# KiCad board SplitKeeb.kicad_pcb (continued)
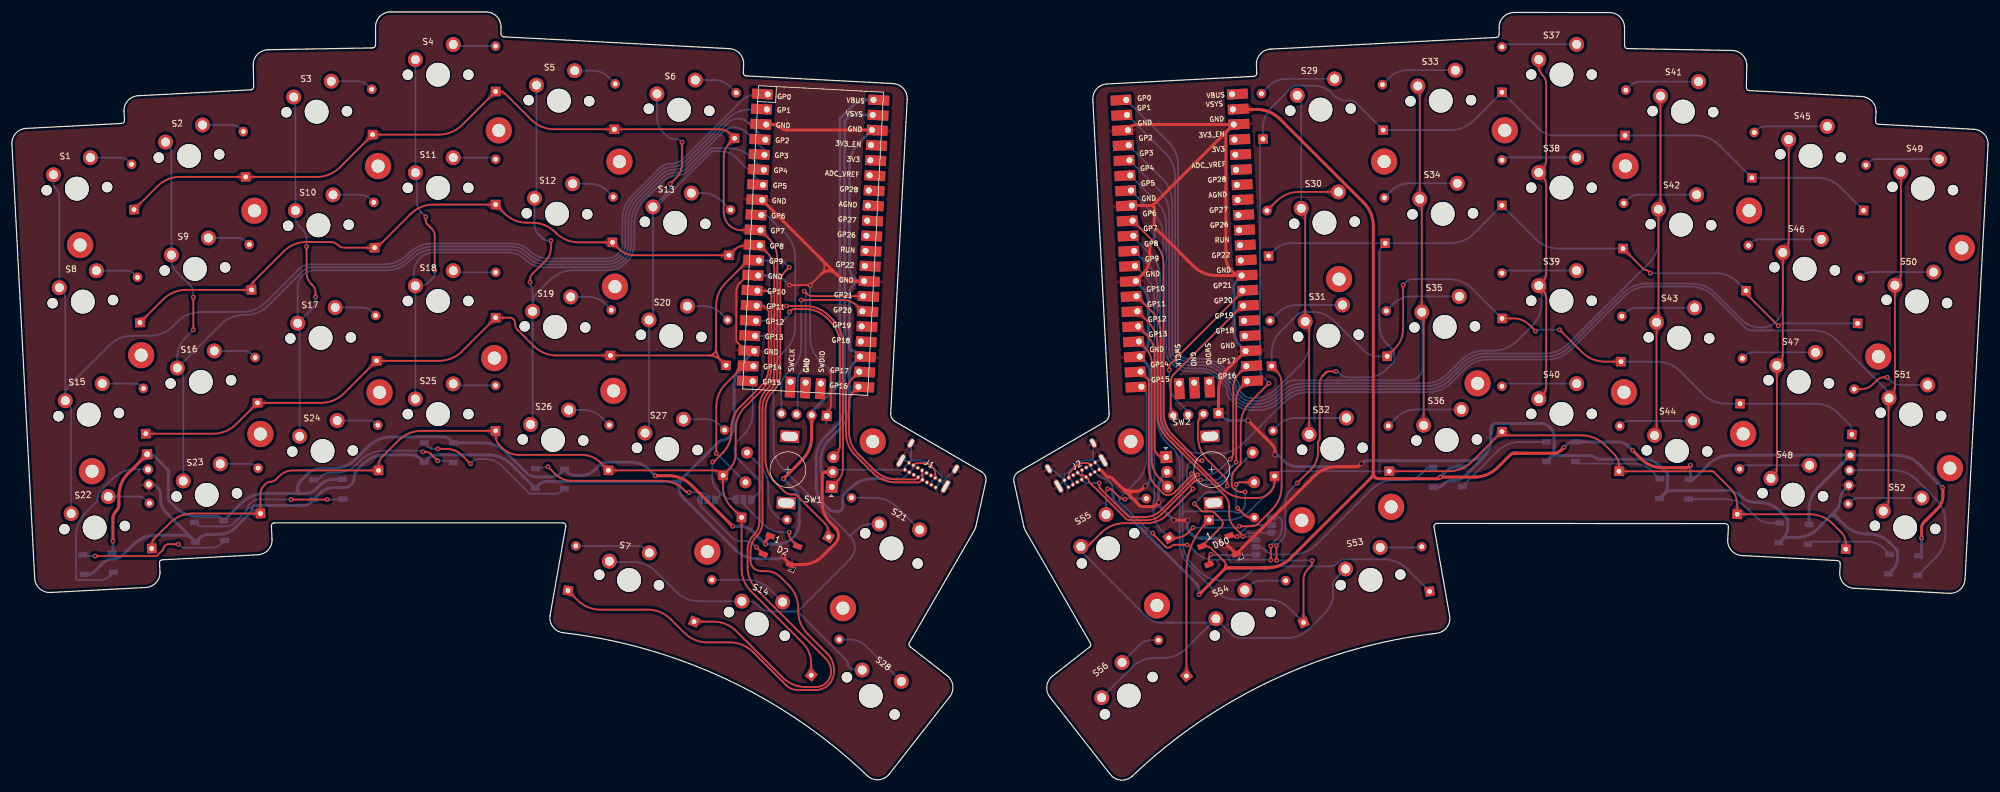
[diagram p0: board, top side]
## Routing (per net, layer and track width the routed paths; a pad name or vN(x,y) marks a point on that pad's centre or on a via; arc(x,y) is an arc through that point) (continued)
R Rotary A: length 24.2
  Top w0.3: SW2.A 193.18,54.26 arc(192.69,54.36) 192.27,54.64 192.2,54.71 arc(191.88,55.2) 191.76,55.78 191.76,71.47 arc(191.4,73.29) 190.37,74.82 U2.16
R Rotary B: length 26.1
  Top w0.3: SW2.B 192.62,50.63 arc(191.61,52.13) 191.26,53.9 191.26,70.02 arc(190.98,71.42) 190.19,72.6 U2.17
R SCL: length 26.4
  Top w0.3: U2.27 206.48,82.1 arc(206.46,81.99) 206.4,81.9 194.48,69.99 arc(194.27,69.67) 194.19,69.3 v1(194.19,68.9)
  Bottom w0.3: v1(194.19,68.9) 194.19,66.97 arc(194.55,65.19) 195.56,63.68 197.33,61.91
R SDA: length 23
  Top w0.3: U2.26 206.54,79.68 arc(206.48,79.66) 206.42,79.63 195.03,68.23 arc(194.6,67.59) 194.44,66.82 194.44,62.37 arc(194.49,62.15) 194.62,61.95 194.79,61.78
RCol1: length 137.3
  Top w0.3: S30.1 216.68,95.7 arc(216.93,95.33) 217.01,94.9 217.01,77.51 arc(217.1,77.08) 217.34,76.71 arc(217.59,76.35) 217.68,75.91 S32.1
  Bottom w0.3: S29.1 216.02,114.69 arc(216.26,114.32) 216.35,113.89 S30.1 ; S31.1 217.35,76.7 arc(217.61,76.33) 217.69,75.88 217.69,73.48 arc(217.28,71.4) 216.1,69.63 212.34,65.88 arc(210.43,64.6) 208.17,64.15 208.08,64.15 arc(207.26,64.31) 206.57,64.77 206.41,64.93 arc(206.07,65.45) 205.94,66.06 arc(205.82,66.68) 205.47,67.2 203.53,69.14 arc(201.77,70.32) 199.69,70.73 197.39,70.73 arc(196.74,70.86) 196.19,71.23 arc(195.82,71.78) 195.69,72.43 195.69,103.3 arc(195.28,105.39) 194.1,107.15 U2.1
RCol2: length 157.2
  Top w0.3: S36.1 236.9,78.03 arc(236.86,78.25) 236.74,78.43 arc(236.62,78.61) 236.57,78.83 236.57,97.03 arc(236.53,97.24) 236.41,97.43 arc(236.28,97.61) 236.24,97.83 236.24,116.02 arc(236.2,116.24) 236.08,116.42 S33.1
  Bottom w0.3: S35.1 236.63,78.53 arc(236.68,78.47) 236.69,78.39 236.69,69.28 arc(236.53,68.47) 236.07,67.77 arc(235.38,67.31) 234.56,67.15 215.15,67.15 arc(214.38,67) 213.74,66.57 212.39,65.22 arc(210.65,64.06) 208.6,63.65 208,63.65 arc(207.02,63.84) 206.19,64.4 205.93,64.66 arc(205.57,65.2) 205.44,65.83 arc(205.32,66.47) 204.96,67.01 203.33,68.64 arc(201.56,69.82) 199.48,70.23 197.39,70.23 arc(196.55,70.4) 195.84,70.88 arc(195.36,71.59) 195.19,72.43 195.19,101.4 arc(194.78,103.48) 193.6,105.25 U2.2
RCol3: length 172.3
  Top w0.3: S40.1 256.84,64.67 arc(257.3,65.36) 257.46,66.18 257.46,80.91 arc(257.3,81.73) 256.84,82.42 arc(256.58,83.05) 256.84,83.67 arc(257.3,84.36) 257.46,85.18 257.46,99.91 arc(257.3,100.73) 256.84,101.42 arc(256.58,102.05) 256.84,102.67 arc(257.3,103.36) 257.46,104.18 257.46,116.91 arc(257.3,117.72) 256.84,118.41 arc(256.38,119.11) 256.21,119.92 S37.1
  Bottom w0.3: U2.4 193.1,100.94 arc(194.28,99.17) 194.69,97.09 194.69,72.43 arc(194.9,71.4) 195.48,70.52 arc(196.36,69.94) 197.39,69.73 199.46,69.73 arc(201.37,69.35) 202.98,68.27 204.44,66.81 arc(204.81,66.26) 204.94,65.61 arc(205.07,64.95) 205.44,64.4 205.82,64.02 arc(206.79,63.38) 207.93,63.15 208.76,63.15 arc(210.86,63.57) 212.63,64.75 212.94,65.06 arc(214.7,66.23) 216.78,66.65 237.07,66.65 arc(239.15,67.06) 240.92,68.24 243.23,70.56 arc(244.99,71.73) 247.08,72.15 248.69,72.15 arc(250.77,72.56) 252.54,73.74 255.1,76.31 arc(256.28,78.07) 256.69,80.15 256.69,82.23 arc(256.63,82.54) 256.45,82.81 S39.1
RCol4: length 195.2
  Top w0.3: S41.1 276.63,96.46 arc(276.59,96.25) 276.47,96.06 arc(276.34,95.88) 276.3,95.66 276.3,77.47 arc(276.26,77.25) 276.14,77.06 arc(276.01,76.88) 275.97,76.66 275.97,58.47 arc(275.93,58.25) 275.8,58.07 S44.1
  Bottom w0.3: S42.1 276.3,90.68 arc(275.89,88.59) 274.71,86.83 261.12,73.24 arc(259.36,72.06) 257.28,71.65 247.28,71.65 arc(245.2,71.23) 243.44,70.06 241.12,67.74 arc(239.36,66.56) 237.28,66.15 216.99,66.15 arc(214.91,65.73) 213.14,64.56 212.83,64.24 arc(211.06,63.06) 208.98,62.65 207.93,62.65 arc(206.6,62.91) 205.46,63.67 204.94,64.19 arc(204.57,64.75) 204.44,65.4 arc(204.31,66.05) 203.94,66.61 202.92,67.63 arc(201.24,68.75) 199.25,69.15 197.53,69.15 arc(196.26,69.4) 195.17,70.13 194.96,70.34 arc(194.39,71.19) 194.19,72.19 194.19,95.19 arc(193.78,97.27) 192.6,99.04 U2.5
RCol5: length 219
  Top w0.3: S45.1 298.15,90.32 arc(298.02,89.67) 297.66,89.12 arc(297.29,88.57) 297.16,87.92 297.16,71.34 arc(297.03,70.69) 296.66,70.14 arc(296.29,69.59) 296.16,68.94 296.16,52.37 arc(296.03,51.72) 295.67,51.17 S48.1
  Bottom w0.3: S46.1 297.16,79.59 arc(296.89,78.23) 296.12,77.07 arc(294.96,76.3) 293.6,76.03 293.3,76.03 arc(291.66,76.35) 290.27,77.28 285.74,81.81 arc(283.98,82.98) 281.9,83.4 274.24,83.4 arc(272.16,82.98) 270.39,81.81 261.33,72.74 arc(259.56,71.56) 257.48,71.15 247.49,71.15 arc(245.41,70.73) 243.64,69.56 241.33,67.24 arc(239.56,66.06) 237.48,65.65 217.2,65.65 arc(215.12,65.23) 213.35,64.06 213.04,63.74 arc(211.27,62.56) 209.19,62.15 207.93,62.15 arc(206.4,62.45) 205.11,63.32 204.44,63.98 arc(204.07,64.54) 203.94,65.19 arc(203.81,65.85) 203.44,66.4 202.57,67.27 arc(201.05,68.29) 199.25,68.65 197.53,68.65 arc(196.06,68.94) 194.82,69.77 194.3,70.29 arc(193.85,70.96) 193.69,71.76 193.69,93.28 arc(193.28,95.37) 192.1,97.13 U2.6
RCol6: length 240.9
  Top w0.3: S49.1 316.97,84.83 arc(316.84,84.18) 316.47,83.62 arc(316.11,83.07) 315.98,82.42 315.98,65.99 arc(315.84,65.29) 315.44,64.7 arc(315.04,64.1) 314.9,63.4 314.9,46.88 arc(314.77,46.23) 314.41,45.68 313.91,45.18
  Bottom w0.3: 314.9,64.16 314.9,64.67 arc(314.81,65.15) 314.54,65.55 306.16,73.93 arc(304.39,75.11) 302.31,75.53 292.03,75.53 arc(291.37,75.66) 290.81,76.04 285.54,81.31 arc(283.77,82.48) 281.69,82.9 274.45,82.9 arc(272.37,82.48) 270.6,81.31 261.54,72.24 arc(259.77,71.06) 257.69,70.65 247.7,70.65 arc(245.62,70.23) 243.85,69.06 241.54,66.74 arc(239.77,65.56) 237.69,65.15 217.45,65.15 arc(215.37,64.73) 213.6,63.56 206.54,56.49 arc(204.77,55.31) 202.69,54.9 199.38,54.9 arc(197.3,55.31) 195.53,56.49 194.79,57.24 arc(193.61,59) 193.19,61.08 193.19,91.31 arc(192.78,93.39) 191.6,95.16 187.81,98.94 arc(187.8,98.97) 187.79,99 U2.7
RCol7: length 157.2
  Top w0.3: v1(199.69,53.65) 199.39,53.65 arc(199.1,53.71) 198.86,53.87 194.86,57.87 arc(193.68,59.64) 193.26,61.72 193.26,86.51 arc(192.85,88.59) 191.67,90.35 U2.9 ; S55.1 179.93,39.23 arc(180.45,39.33) 180.89,39.63 182.82,41.56 arc(184.58,42.73) 186.66,43.15 190.43,43.15 arc(192.29,43.52) 193.87,44.57 v1(198.19,48.9)
  Bottom w0.3: v1(199.69,53.65) 198.47,53.65 arc(197.98,53.55) 197.57,53.27 arc(197.29,52.86) 197.19,52.37 197.19,50.61 arc(197.32,49.95) 197.69,49.4 v1(198.19,48.9) ; S55.1 179.37,38.86 arc(179.44,38.52) 179.63,38.23 190.38,27.48 arc(191.53,26.72) 192.88,26.45 193.96,26.45 ; S56.1 187.94,18.94 arc(189.71,20.12) 191.79,20.53 193.21,20.53 arc(195.29,20.94) 197.05,22.12 S54.1 204.67,24.47 arc(205.35,24.02) 206.15,23.86 213.9,23.86 arc(215.98,24.27) 217.74,25.45 220.3,28 arc(221.34,29.56) 221.7,31.4 221.7,32.9 arc(221.79,33.35) 222.05,33.74 S53.1 ; 194.34,26.45 193.96,26.45 ; 194.34,26.45 194.72,26.45 ; 194.34,26.45 194.72,26.45 ; 194.34,26.45 193.96,26.45 ; 194.72,26.45 202.06,26.45
RRGB: length 51.8
  Top w0.3: v1(206.54,40.93) 206.54,40.99 arc(206.53,41.05) 206.5,41.11 205.17,42.44 arc(204.5,43.43) 204.27,44.61 204.27,45.89 arc(204.05,46.96) 203.44,47.87 193.86,57.46 arc(192.68,59.23) 192.26,61.31 192.26,73.08 arc(191.85,75.17) 190.67,76.93 U2.15
  Bottom w0.3: JP4.3 207.57,41.53 arc(207.18,41.45) 206.84,41.23 v1(206.54,40.93) 207.89,40.93 arc(208.22,40.86) 208.49,40.68 JP3.1
RRotarySwitch: length 41.5
  Top w0.3: U2.19 190.59,67.4 arc(190.72,67.2) 190.76,66.98 190.76,52.45 arc(191.11,50.72) 192.09,49.25 193.18,48.15 arc(193.44,47.98) 193.74,47.92 194.06,47.92 arc(194.66,48.04) 195.17,48.38 197.83,51.03 arc(197.91,51.16) 197.94,51.31 v1(197.94,51.48)
  Bottom w0.3: v1(197.94,51.48) 198.08,51.34 arc(198.19,51.18) 198.22,51 198.22,50.88 arc(198.28,50.58) 198.45,50.33 198.97,49.81 arc(199.15,49.69) 199.36,49.65 200.98,49.65 arc(202.68,49.99) 204.12,50.95 SW2.S2
RRow1: length 299
  Top w0.3: v1(210.94,66.65) 207.79,63.49 arc(206.61,61.73) 206.19,59.65 206.19,53.28 arc(206.16,53.1) 206.06,52.95 205.44,52.34 arc(204.89,51.51) 204.69,50.53 204.69,49.47 arc(204.72,49.35) 204.78,49.25 205.17,48.86 arc(205.68,48.52) 206.29,48.4 v1(206.94,48.4)
  Bottom w0.3: 196.44,44.73 196.44,40.11 arc(196.86,38.03) 198.04,36.26 199.18,35.12 arc(200.95,33.94) 203.03,33.52 204.64,33.52 arc(206.19,33.83) 207.51,34.71 arc(208.82,35.59) 210.37,35.9 221.12,35.9 arc(221.89,36.05) 222.54,36.49 222.85,36.8 arc(223.15,37) 223.51,37.07 230.28,37.07 arc(232.36,36.66) 234.12,35.48 D54.1 ; 196.44,44.73 196.44,45.07 ; 196.44,44.73 arc(196.47,44.89) 196.56,45.02 ; v1(206.94,48.4) 206.94,46.5 arc(206.82,45.89) 206.47,45.37 206.08,44.97 arc(206,44.92) 205.9,44.9 205.55,44.9 arc(205.4,44.93) 205.27,45.02 arc(205.13,45.1) 204.98,45.13 196.85,45.13 arc(196.69,45.1) 196.56,45.02 ; U2.10 188.19,91.29 arc(188.21,91.16) 188.29,91.06 191.1,88.24 arc(192.28,86.48) 192.69,84.4 192.69,60.88 arc(193.11,58.79) 194.29,57.03 195.58,55.73 arc(196.22,54.78) 196.44,53.65 196.44,45.07 ; 196.44,45.07 arc(196.49,45) 196.56,45.02 ; v1(210.94,66.65) 210.2,67.39 arc(209.65,68.22) 209.45,69.19 209.45,106.86 arc(209.51,107.18) 209.69,107.45 arc(209.87,107.72) 209.94,108.03 209.94,109.61 arc(210.29,111.39) 211.29,112.89 214.73,116.33 arc(215.09,116.57) 215.5,116.65 218.43,116.65 arc(220.06,116.32) 221.44,115.4 221.83,115.02 arc(222.79,114.37) 223.92,114.15 224.58,114.15 arc(225.1,114.05) 225.54,113.75 D34.1 241.44,109.19 arc(243.52,109.6) 245.29,110.78 D38.1 255.16,110.41 arc(255.17,110.4) 255.18,110.4 arc(255.19,110.4) 255.2,110.39 256.25,109.34 arc(257.43,108.55) 258.81,108.28 D42.1 282.6,108.28 arc(284.68,107.86) 286.45,106.69 D46.1 302.98,101.17 arc(305.06,100.75) 306.83,99.58 D50.1
RRow2: length 274.5
  Top w0.3: D55.1 216.74,33.66 arc(216.92,34.61) 217.46,35.42 217.93,35.88 arc(218.12,36.18) 218.19,36.52 v1(218.19,36.9) ; D43.1 273.82,85.81 arc(274,85.69) 274.21,85.65 arc(274.43,85.61) 274.61,85.49 v1(274.94,85.15) ; v1(222.19,68.65) 220.87,68.65 arc(220.71,68.62) 220.57,68.52 219.94,67.9 arc(219.57,67.35) 219.44,66.69 219.44,57.34 arc(219.41,57.16) 219.31,57.01 arc(219.21,56.86) 219.17,56.69 219.17,55.13 arc(218.85,53.51) 217.94,52.14 v1(215.69,49.9) ; D47.1 290.99,81.96 arc(291.03,81.74) 291.16,81.56 v1(296.41,76.3) ; v1(212.19,39.4) v1(212.19,36.9)
  Bottom w0.3: D47.1 289.51,83.68 arc(287.88,84.77) 285.96,85.15 v1(274.94,85.15) ; 230.2,89.95 229.96,89.71 arc(229.61,89.18) 229.48,88.56 229.48,76.3 arc(229.8,74.69) 230.71,73.33 231.86,72.17 arc(231.92,72.09) 231.94,71.98 231.94,70.4 arc(231.92,70.27) 231.85,70.16 230.64,68.96 arc(229.19,67.99) 227.48,67.65 224.15,67.65 arc(223.5,67.78) 222.94,68.15 222.53,68.56 arc(222.43,68.63) 222.32,68.65 v1(222.19,68.65) ; 230.2,89.95 arc(230.46,90.13) 230.77,90.19 ; 230.2,89.95 arc(230.23,90.1) 230.1,90.19 ; U2.11 190.6,86.61 arc(191.78,84.85) 192.19,82.77 192.19,60.53 arc(192.61,58.45) 193.79,56.68 194.92,55.55 arc(195.68,54.41) 195.94,53.07 195.94,39.9 arc(196.36,37.82) 197.54,36.06 201.67,31.92 arc(203.44,30.74) 205.52,30.32 210.64,30.32 arc(212.72,29.91) 214.48,28.73 D55.1 ; D51.1 297.12,76.72 arc(296.85,76.66) 296.62,76.51 v1(296.41,76.3) ; D31.1 211.95,89.11 arc(213.14,89.91) 214.55,90.19 230.1,90.19 ; v1(215.69,49.9) 214.69,48.9 arc(213.95,47.79) 213.69,46.48 213.69,41.96 arc(213.5,40.98) 212.94,40.15 v1(212.19,39.4) ; v1(218.19,36.9) v1(212.19,36.9) ; 230.77,90.19 230.1,90.19 ; 230.77,90.19 241.44,90.19 arc(243.52,90.6) 245.29,91.78 D39.1 255.69,90.87 arc(257.46,89.69) 259.54,89.28 D43.1
RRow3: length 218.9
  Top w0.3: v1(259.69,75.65) 263.46,71.88 arc(265.23,70.7) 267.31,70.29 D44.1 ; D56.1 195.32,40.69 arc(196.4,40.9) 197.31,41.51 v1(198.19,42.4) ; v1(255.69,75.4) 254.62,76.47 arc(253.44,77.26) 252.04,77.54 D40.1 ; v1(205.94,42.65) 208.18,42.65 arc(208.64,42.74) 209.03,43 211.46,45.44 arc(212.64,47.2) 213.06,49.28 213.06,66.67 arc(212.84,67.77) 212.22,68.7 D32.1 ; v1(233.44,83.15) 233.44,75.75 arc(233.1,74) 232.1,72.52 D36.1
  Bottom w0.3: v1(255.69,75.4) 255.82,75.52 arc(255.96,75.62) 256.12,75.65 v1(259.69,75.65) ; D32.1 211.38,71.68 arc(211.77,73.67) 212.89,75.35 215.7,78.15 arc(216.24,78.52) 216.88,78.64 218.27,78.64 arc(220.2,78.26) 221.83,77.17 226.78,72.22 arc(227.93,71.45) 229.29,71.18 D36.1 ; D40.1 245.02,82.56 arc(243.25,83.73) 241.17,84.15 235.15,84.15 arc(234.5,84.02) 233.94,83.65 v1(233.44,83.15) ; D44.1 276.05,70.29 arc(278.13,69.87) 279.9,68.7 283.77,64.82 arc(285.54,63.64) 287.62,63.22 D48.1 302.61,63.22 arc(304.7,62.81) 306.46,61.63 308.29,59.81 arc(308.63,59.3) 308.75,58.7 D52.1 ; v1(198.19,42.4) 205.52,42.4 arc(205.68,42.43) 205.82,42.52 v1(205.94,42.65) ; U2.12 190.1,84.71 arc(191.28,82.95) 191.69,80.86 191.69,47.22 arc(191.68,47.14) 191.63,47.07 arc(191.58,47) 191.57,46.92 191.57,45.1 arc(191.9,43.41) 192.86,41.98 D56.1
RRow4: length 201.6
  Top w0.3: D57.1 197.09,35.08 arc(197.98,39.53) 200.5,43.31 D64.1 ; 188.51,81.28 188.62,81.28 arc(188.71,81.26) 188.8,81.21 191.17,78.84 arc(192.35,77.07) 192.76,74.99 192.76,61.51 arc(193.18,59.43) 194.36,57.67 203.03,48.99 arc(204.8,47.81) 206.88,47.4 209,47.4 arc(210.1,47.62) 211.04,48.24 211.18,48.38 arc(211.7,49.16) 211.88,50.07 D33.1 ; D53.1 307.74,39.82 arc(307.55,40.78) 307,41.59 305.54,43.06 arc(303.77,44.23) 301.69,44.65 D49.1 289.51,46.24 arc(289.21,47.72) 288.38,48.96 285.62,51.72 arc(285.42,51.85) 285.19,51.9 284.96,51.9 arc(284.95,51.9) 284.93,51.88 arc(284.91,51.87) 284.89,51.87 D45.1 269.67,52.9 arc(269.48,53.85) 268.94,54.66 267.29,56.31 arc(265.52,57.48) 263.44,57.9 251.11,57.9 arc(250.7,57.98) 250.35,58.21 arc(250.04,58.34) 249.72,58.21 244.98,53.47 arc(243.21,52.29) 241.13,51.88 D37.1
  Bottom w0.3: D37.1 213.27,51.88 arc(212.74,51.77) 212.29,51.47 arc(211.98,51.02) 211.88,50.48 211.88,50.2 arc(211.72,49.4) 211.27,48.72 207.84,45.29 arc(206.07,44.11) 203.99,43.7 D64.1
RX0: length 29.9
  Top w0.3: J1.B6 152.74,51.21 arc(152.75,51.17) 152.77,51.14 arc(152.79,51.11) 152.8,51.07 152.8,50.73 arc(152.74,50.45) 152.59,50.22 arc(152.35,50.06) 152.07,50.01 148.32,50.01 arc(146.24,50.42) 144.47,51.6 141.54,54.54 arc(140.36,56.3) 139.94,58.38 139.94,64.77 arc(140.24,66.24) 141.07,67.48 U1.22
RX1: length 49.7
  Top w0.3: v1(204.44,53.9) 204.69,54.15 arc(204.88,54.43) 204.94,54.75 204.94,65.78 arc(205.23,67.21) 206.04,68.43 U2.22 ; v1(182.44,49.9) 182.44,49.52 arc(182.51,49.18) 182.71,48.88 186.91,44.68 arc(187.5,44.29) 188.19,44.15 189.93,44.15 arc(191.54,44.47) 192.91,45.38 198.6,51.07 198.75,51.22 arc(198.81,51.27) 198.89,51.28 v1(198.97,51.28)
  Bottom w0.3: J2.B7 179.56,51.26 arc(179.55,51.22) 179.53,51.19 arc(179.51,51.15) 179.5,51.11 179.5,50.68 arc(179.54,50.49) 179.65,50.33 179.79,50.19 arc(180.11,49.97) 180.49,49.9 v1(182.44,49.9) ; v1(204.44,53.9) 202.83,52.29 arc(201.72,51.54) 200.4,51.28 v1(198.97,51.28)
TX0: length 25.6
  Top w0.3: J1.A7 151.89,50.68 arc(151.69,50.55) 151.47,50.51 148.53,50.51 arc(146.45,50.92) 144.68,52.1 142.04,54.74 arc(140.86,56.51) 140.44,58.59 140.44,63.31 arc(140.65,64.37) 141.25,65.26 U1.21
  Bottom w0.3: J1.B7 153.3,51.42 arc(153.11,51.3) 152.88,51.25 152.74,51.25 arc(152.48,51.2) 152.26,51.05 J1.A7
TX1: length 48
  Top w0.3: J2.B6 179.08,51.4 arc(179.32,51.23) 179.61,51.18 179.72,51.18 arc(179.9,51.14) 180.05,51.04 180.17,50.92 arc(180.19,50.91) 180.21,50.9 arc(180.24,50.9) 180.25,50.89 180.59,50.55 arc(180.67,50.43) 180.69,50.3 arc(180.72,50.16) 180.8,50.04 186.89,43.95 arc(187.23,43.73) 187.62,43.65 190.32,43.65 arc(191.76,43.94) 192.98,44.75 198.35,50.11 arc(198.66,50.32) 199.04,50.4 v1(199.44,50.4) ; U2.21 206.36,66.08 arc(205.68,65.06) 205.44,63.87 v1(205.44,53.4)
  Bottom w0.3: v1(205.44,53.4) 202.82,50.77 arc(202.4,50.5) 201.91,50.4 v1(199.44,50.4)
VSYS: length 98.1
  Top w0.3: J1.B4 151.44,53.05 arc(151.63,53.18) 151.86,53.22 153.07,53.22 arc(153.79,53.08) 154.4,52.68 154.46,52.61 arc(154.82,52.07) 154.95,51.44 J1.B9
  Bottom w0.3: 147.23,50.63 149.23,50.63 arc(149.49,50.68) 149.72,50.83 J1.A9 151.09,52.21 arc(151.22,52.4) 151.27,52.63 J1.B4 ; J1.A4 154.27,49.83 arc(154.32,50.06) 154.45,50.25 J1.B9
  Bottom w0.5: U1.39 141.32,111.72 arc(140.72,111.6) 140.21,111.26 139.8,110.86 arc(139.76,110.79) 139.74,110.71 139.74,63.18 arc(139.33,61.1) 138.15,59.34 136.54,57.72 arc(135.36,55.96) 134.94,53.88 134.94,49.4 arc(135.27,47.76) 136.19,46.38 136.91,45.66 arc(137.5,45.27) 138.19,45.13 138.59,45.13 arc(138.92,45.19) 139.19,45.38 arc(139.38,45.66) 139.44,45.98 139.44,47.38 arc(139.51,47.74) 139.72,48.04 140.87,49.2 arc(142.46,50.26) 144.33,50.63 147.23,50.63
Net-(D1-A): length 7.3
  Bottom w0.3: D1.2 19.53,103.99 arc(18.92,104.4) 18.19,104.54 S1.2
Net-(D2-DIN): length 13.1
  Top w0.3: D2.4 130.78,40.35 arc(130.53,40.72) 130.44,41.16 v1(130.44,41.63)
  Bottom w0.3: JP1.2 122.74,46.75 arc(122.81,46.41) 123.01,46.11 126.45,42.67 arc(127.61,41.9) 128.97,41.63 v1(130.44,41.63)
Net-(D2-DOUT): length 14.7
  Top w0.3: D2.2 124.95,39.1 arc(124.95,39.11) 124.94,39.12 v1(124.94,39.13)
  Bottom w0.3: v1(124.94,39.13) 124.44,39.63 arc(123.89,40) 123.24,40.13 122.34,40.13 arc(121.51,40.29) 120.81,40.76 115.74,45.83 arc(115.52,46.16) 115.44,46.55 115.44,46.97
Net-(D3-A): length 7.2
  Bottom w0.3: S2.2 36.93,110.04 arc(37.65,109.89) 38.27,109.48 D3.2
Net-(D4-A): length 7.3
  Bottom w0.3: S3.2 58.08,117.39 arc(58.97,117.21) 59.71,116.71 D4.2
Net-(D5-A): length 7.2
  Bottom w0.3: D5.2 74.51,123.29 arc(74.34,123.32) 74.19,123.42 S4.2
Net-(D6-A): length 7.6
  Bottom w0.3: S5.2 97.44,119.16 arc(98.89,118.87) 100.12,118.05 D6.2
Net-(D7-A): length 7.6
  Bottom w0.3: S6.2 117.87,117.58 arc(119.27,117.3) 120.46,116.51 D7.2
Net-(D8-A): length 12.7
  Bottom w0.3: D8.2 104.95,39.34 arc(105.72,39.19) 106.37,38.75 S7.2
Net-(D9-A): length 7.3
  Bottom w0.3: D9.2 20.53,85.02 arc(19.91,85.43) 19.19,85.57 S8.2
Net-(D10-A): length 7.2
  Bottom w0.3: S9.2 37.92,91.06 arc(38.65,90.92) 39.26,90.51 D10.2
Net-(D11-A): length 7.3
  Bottom w0.3: D11.2 60.09,97.67 arc(59.38,98.14) 58.55,98.31 S10.2
Net-(D12-A): length 7.2
  Bottom w0.3: D12.2 81.04,104.42 arc(80.89,104.52) 80.71,104.56 S11.2
Net-(D13-A): length 7.6
  Bottom w0.3: S12.2 97.11,100.16 arc(98.56,99.87) 99.79,99.05 D13.2
Net-(D14-A): length 7.6
  Bottom w0.3: S13.2 115.89,98.59 arc(117.63,98.24) 119.11,97.26 D14.2
Net-(D15-A): length 13.2
  Bottom w0.3: D15.2 123.36,33.63 arc(125.44,33.22) 127.2,32.04 S14.2
Net-(D16-A): length 7.2
  Bottom w0.3: S15.2 20.7,66.6 arc(21.22,66.49) 21.66,66.2 D16.2
Net-(D17-A): length 7.2
  Bottom w0.3: D17.2 40.26,71.53 arc(39.64,71.94) 38.92,72.09 S16.2
Net-(D18-A): length 7.3
  Bottom w0.3: S17.2 58.75,79.39 arc(59.63,79.22) 60.38,78.72 D18.2
Net-(D19-A): length 7.2
  Bottom w0.3: D19.2 74.51,85.29 arc(74.34,85.32) 74.19,85.42 S18.2
Net-(D20-A): length 7.6
  Bottom w0.3: D20.2 99.46,80.05 arc(98.23,80.88) 96.78,81.16 S19.2
Net-(D21-A): length 7.5
  Bottom w0.3: S20.2 116.14,79.6 arc(117.65,79.3) 118.94,78.44 D21.2
Net-(D22-A): length 13.4
  Bottom w0.3: D22.2 144.69,47.43 arc(146.77,47.01) 148.54,45.83 S21.2
Net-(D23-A): length 7.3
  Bottom w0.3: D23.2 22.52,47.07 arc(21.9,47.48) 21.18,47.62 S22.2
Net-(D24-A): length 6.6
  Bottom w0.3: D24.2 40.94,52.75 arc(40.54,53.02) 40.07,53.11 S23.2
Net-(D25-A): length 7.1
  Bottom w0.3: D25.2 61.01,60.01 arc(60.59,60.3) 60.08,60.4 S24.2
Net-(D26-A): length 7.2
  Bottom w0.3: D26.2 74.51,66.29 arc(74.34,66.32) 74.19,66.42 S25.2
Net-(D27-A): length 7.7
  Bottom w0.3: D27.2 98.97,60.9 arc(97.57,61.84) 95.91,62.17 S26.2
Net-(D28-A): length 7.5
  Bottom w0.3: D28.2 118.69,59.71 arc(117.69,60.38) 116.5,60.61 S27.2
Net-(D29-A): length 13.2
  Bottom w0.3: D29.2 140.51,23.63 arc(142.08,23.32) 143.41,22.43 S28.2
Net-(D30-A): length 13.1
  Bottom w0.3: S29.2 213.9,117.78 arc(212.28,117.46) 210.91,116.54 D30.2
Net-(D31-A): length 13.1
  Top w0.3: S30.2 215.97,98.79 arc(213.92,98.38) 212.18,97.22 D31.2
Net-(D32-A): length 13.1
  Bottom w0.3: S31.2 215.63,79.8 arc(213.9,79.46) 212.43,78.48 D32.2
Net-(D33-A): length 13.1
  Bottom w0.3: S32.2 215.26,60.82 arc(213.87,60.54) 212.68,59.75 D33.2
Net-(D34-A): length 13.1
  Bottom w0.3: S33.2 234.12,119.24 arc(232.53,118.92) 231.19,118.02 D34.2
Net-(D35-A): length 13.1
  Bottom w0.3: S34.2 234.46,100.24 arc(232.87,99.93) 231.52,99.03 D35.2
Net-(D36-A): length 13.1
  Bottom w0.3: S35.2 234.81,81.25 arc(233.21,80.93) 231.86,80.02 D36.2
Net-(D37-A): length 13.2
  Bottom w0.3: S36.2 235.66,62.25 arc(233.87,61.89) 232.34,60.87 D37.2
Net-(D38-A): length 12.7
  Bottom w0.3: S37.2 250.78,123.59 arc(250.5,123.53) 250.25,123.37 D38.2
Net-(D39-A): length 12.7
  Bottom w0.3: S38.2 251.05,104.59 arc(251.01,104.59) 250.98,104.62 arc(250.94,104.63) 250.91,104.62 250.59,104.29 arc(250.43,104.19) 250.24,104.15 D39.2
Net-(D40-A): length 12.7
  Bottom w0.3: S39.2 250.76,85.59 arc(250.48,85.53) 250.25,85.37 D40.2
Net-(D41-A): length 12.7
  Bottom w0.3: S40.2 250.78,66.59 arc(250.5,66.53) 250.25,66.37 D41.2
Net-(D42-A): length 12.7
  Bottom w0.3: D42.2 271.53,116.61 arc(272.32,117.14) 273.25,117.32 S41.2
Net-(D43-A): length 12.7
  Bottom w0.3: D43.2 271.2,97.61 arc(271.99,98.14) 272.92,98.32 S42.2
Net-(D44-A): length 12.7
  Bottom w0.3: S43.2 272.57,79.33 arc(271.64,79.14) 270.86,78.62 D44.2
Net-(D45-A): length 12.5
  Bottom w0.3: D45.2 270.22,59.91 arc(270.69,60.22) 271.24,60.33 S44.2
Net-(D46-A): length 12.6
  Bottom w0.3: S45.2 294.1,109.8 arc(293.44,109.67) 292.87,109.29 D46.2
Net-(D47-A): length 12.6
  Bottom w0.3: S46.2 293.11,90.82 arc(292.45,90.69) 291.89,90.32 D47.2
Net-(D48-A): length 12.6
  Bottom w0.3: D48.2 290.9,71.34 arc(291.47,71.72) 292.13,71.85 S47.2
Net-(D49-A): length 11.9
  Bottom w0.3: S48.2 290.96,52.88 arc(290.55,52.8) 290.21,52.57 D49.2
Net-(D50-A): length 12.7
  Bottom w0.3: D50.2 311.62,103.8 arc(312.18,104.18) 312.83,104.31 S49.2
Net-(D51-A): length 12.7
  Bottom w0.3: D51.2 310.63,84.83 arc(311.18,85.2) 311.84,85.33 S50.2
Net-(D52-A): length 13.3
  Top w0.3: D52.2 310.3,65.66 arc(311.37,65.87) 312.27,66.47 313,67.21 arc(313.49,67.53) 314.07,67.65 v1(314.69,67.65)
  Bottom w0.3: 321.38,66.36 316.89,66.36 arc(316.05,66.53) 315.34,67.01 v1(314.69,67.65)
Net-(D53-A): length 12.6
  Bottom w0.3: D53.2 308.63,46.89 arc(309.18,47.26) 309.83,47.39 320.38,47.39
Net-(D54-A): length 7
  Bottom w0.3: D54.2 236.52,39.14 arc(236.45,39.09) 236.37,39.08 S53.2
Net-(D55-A): length 7.4
  Bottom w0.3: S54.2 207.67,32.71 arc(208.54,33.29) 209.56,33.49 D55.2
Net-(D56-A): length 11.5
  Top w0.3: v1(186.77,47.2) 186.46,47.2 arc(186.17,47.26) 185.92,47.42 184.6,48.74 arc(184.39,48.86) 184.14,48.9 v1(183.84,48.9)
  Bottom w0.3: D56.2 187.11,47.29 arc(186.95,47.27) 186.79,47.21 186.78,47.2 arc(186.78,47.2) 186.78,47.2 v1(186.77,47.2) ; v1(183.84,48.9) 183.72,48.78 arc(183.63,48.65) 183.6,48.49 S55.2
Net-(D57-A): length 7.5
  Bottom w0.3: D57.2 191.22,23.5 arc(190.13,23.28) 189.2,22.67 S56.2
Net-(D58-DIN): length 31.2
  Top w0.3: v1(113.64,48.33) 113.41,48.33 arc(113.2,48.37) 113.02,48.49 112.35,49.16 arc(110.79,49.99) 109.04,50.28 93.96,50.28 arc(92.42,50.58) 91.12,51.45 v1(89.94,52.63)
  Bottom w0.3: 116.74,46.95 116.74,47.33 arc(116.67,47.67) 116.48,47.97 116.43,48.02 arc(116.08,48.25) 115.67,48.33 v1(113.64,48.33) ; v1(89.94,52.63) D58.4
Net-(D58-DOUT): length 27.5
  Top w0.3: v1(76.94,53.13) 75.5,54.57 arc(74.33,55.35) 72.94,55.63 v1(71.44,55.63)
  Bottom w0.3: D59.4 69.77,56.07 arc(70.25,55.74) 70.83,55.63 v1(71.44,55.63) ; D58.2 92.28,48.52 arc(91.83,48.21) 91.29,48.11 87.11,48.11 arc(86.9,48.15) 86.72,48.27 82.23,52.76 arc(80.93,53.62) 79.4,53.93 78.31,53.93 arc(77.79,53.83) 77.34,53.53 v1(76.94,53.13)
Net-(D59-DOUT): length 25.7
  Top w0.3: v1(68.94,55.13) 69.44,55.13 arc(69.91,55.04) 70.3,54.78 v1(71.44,53.63)
  Bottom w0.3: v1(68.94,55.13) 68.84,55.23 arc(68.73,55.3) 68.6,55.33 62.4,55.33 arc(60.32,54.91) 58.55,53.74 57.82,53.01 arc(56.3,51.99) 54.49,51.63 53.39,51.63 arc(52.61,51.47) 51.95,51.03 51.61,50.7 arc(51.32,50.5) 50.97,50.43 D65.4 ; v1(71.44,53.63) 73.61,53.63 arc(73.79,53.59) 73.95,53.49 D59.2
Net-(D60-DIN): length 7.8
  Top w0.3: v1(205.59,40.89) 204.53,40.89 arc(204.43,40.92) 204.34,40.97 D60.4
  Bottom w0.3: JP4.2 208.77,42.83 arc(207.55,42.59) 206.52,41.9 205.62,41 arc(205.6,40.97) 205.59,40.93 v1(205.59,40.89)
Net-(D60-DOUT): length 9.4
  Top w0.3: D60.2 200.87,37.35 arc(200.92,37.56) 201.03,37.74 v1(201.19,37.9)
  Bottom w0.3: v1(201.19,37.9) 201.23,37.86 arc(201.27,37.84) 201.31,37.83 JP3.3
Net-(D61-DIN): length 35.8
  Bottom w0.3: 215.34,37.91 211.87,37.91 arc(211.07,38.07) 210.4,38.52 210.16,38.76 arc(209.75,39.03) 209.27,39.13 JP3.2 ; D61.4 238,52.51 arc(237.58,52.42) 237.23,52.19 236.5,51.45 arc(235.33,50.67) 233.95,50.4 231.95,50.4 arc(229.87,49.98) 228.1,48.81 218.79,39.49 arc(217.02,38.31) 214.94,37.9
Net-(D61-DOUT): length 17
  Bottom w0.3: D62.4 253.1,56.8 arc(251.02,56.38) 249.25,55.21 243.43,49.38 arc(243.41,49.36) 243.4,49.33 D61.2
Net-(D62-DOUT): length 15.1
  Bottom w0.3: D62.2 262.57,53.32 arc(262.76,53.19) 262.99,53.15 272.16,53.15 arc(273.83,52.82) 275.24,51.87 D68.4
Net-(D63-A): length 14.3
  Bottom w0.3: SW1.S1 125.35,53.01 arc(126.53,51.24) 126.94,49.16 126.94,47.11 arc(127.2,45.81) 127.93,44.72 128.52,44.13 arc(128.96,43.83) 129.49,43.73 D63.2
Net-(D64-A): length 10.6
  Top w0.3: D64.2 207.87,44.1 arc(207.29,44.21) 206.8,44.54 v1(205.69,45.65) ; v1(205.44,49.65) 205.63,49.84 arc(205.84,49.98) 206.09,50.03 SW2.S1
  Bottom w0.3: v1(205.44,49.65) 205.44,46.08 arc(205.48,45.91) 205.57,45.77 v1(205.69,45.65)
Net-(D65-DOUT): length 27.2
  Top w0.3: v1(46.84,47.12) 52.92,47.12 arc(52.93,47.12) 52.94,47.12 v1(52.94,47.13)
  Bottom w0.3: D66.4 30.98,42.94 arc(31.36,42.69) 31.81,42.6 35.81,42.6 arc(36.61,42.76) 37.29,43.21 39.43,45.36 arc(39.57,45.56) 39.61,45.8 arc(39.66,46.04) 39.8,46.24 40.15,46.59 arc(40.74,46.99) 41.44,47.13 46.94,47.13 ; D65.2 55.51,47.17 arc(55.46,47.14) 55.4,47.13 v1(52.94,47.13)
Net-(D66-DOUT): length 25.4
  Top w0.3: v1(27.94,39.63) 26.3,39.63 arc(25.97,39.56) 25.69,39.38 25.57,39.25 arc(25.48,39.12) 25.44,38.96 arc(25.41,38.8) 25.32,38.66 24.49,37.83 arc(24.27,37.68) 24.01,37.63 v1(13.94,37.63)
  Bottom w0.3: D67.4 12.55,37.84 arc(12.69,37.82) 12.81,37.74 arc(12.93,37.66) 13.07,37.63 v1(13.94,37.63) ; D66.2 35.11,39.65 arc(34.45,39.21) 33.67,39.05 28.93,39.05 arc(28.55,39.13) 28.23,39.34 v1(27.94,39.63)
Net-(D67-DOUT): length 32.1
  Bottom w0.3: D67.2 16.37,34.25 arc(15.65,33.77) 14.8,33.6 11.12,33.6 arc(10.98,33.63) 10.87,33.71 arc(10.79,33.82) 10.76,33.96 10.76,41.05 arc(11.18,43.14) 12.36,44.9 14.02,46.57 arc(14.33,47.03) 14.44,47.58 arc(14.55,48.13) 14.86,48.59 16.91,50.64 arc(18.62,51.78) 20.65,52.19 J5.2
Net-(D68-DOUT): length 16.6
  Bottom w0.3: D69.4 295.16,43.17 arc(293.78,43.45) 292.61,44.23 291.23,45.61 arc(289.46,46.79) 287.38,47.21 D68.2
Net-(D69-DOUT): length 14.6
  Bottom w0.3: D69.2 301.6,39.84 arc(301.83,40) 302.11,40.05 311.45,40.05 arc(312.84,39.77) 314.02,38.99 D70.4
Net-(D70-DOUT): length 31.2
  Bottom w0.3: D70.2 322.77,37.34 arc(322.85,37.42) 322.93,37.5 arc(323.01,37.59) 323.09,37.68 323.17,37.77 arc(323.32,37.96) 323.46,38.15 arc(323.59,38.34) 323.71,38.55 arc(323.83,38.76) 323.93,38.97 arc(324.03,39.19) 324.11,39.41 arc(324.19,39.63) 324.26,39.86 arc(324.31,40.09) 324.36,40.32 arc(324.39,40.56) 324.42,40.79 324.43,40.91 arc(324.44,41.03) 324.44,41.15 arc(324.44,41.27) 324.44,41.39 324.44,43.22 arc(324.44,43.34) 324.44,43.46 arc(324.44,43.57) 324.43,43.69 324.42,43.81 arc(324.39,44.05) 324.36,44.28 arc(324.31,44.51) 324.26,44.74 arc(324.19,44.97) 324.11,45.2 arc(324.03,45.42) 323.93,45.64 arc(323.83,45.85) 323.71,46.06 arc(323.59,46.26) 323.46,46.46 arc(323.32,46.65) 323.17,46.83 323.09,46.92 arc(323.01,47.01) 322.93,47.1 arc(322.85,47.18) 322.77,47.27 322.12,47.91 arc(322.1,47.95) 322.09,48 arc(322.08,48.05) 322.05,48.09 321.19,48.95 arc(321.14,48.98) 321.1,48.99 arc(321.05,49) 321.01,49.02 319.68,50.36 arc(319.59,50.44) 319.51,50.52 arc(319.42,50.61) 319.33,50.68 319.24,50.76 arc(319.06,50.91) 318.86,51.05 arc(318.67,51.18) 318.46,51.3 arc(318.26,51.42) 318.04,51.52 arc(317.83,51.62) 317.6,51.71 arc(317.38,51.78) 317.15,51.85 arc(316.92,51.9) 316.69,51.95 arc(316.45,51.99) 316.22,52.01 316.1,52.02 arc(315.98,52.03) 315.86,52.03 arc(315.74,52.04) 315.63,52.04 J6.2

## Copper pours and planes (outline as drawn; the poured copper is in the pictures)
GND on Top, Bottom: 161.34,136.73 164.34,48.03 156.84,-15.27 -12.46,26.23 -5.06,130.23
GND1 on Top, Bottom: 355.34,133.03 170.14,135.63 163.24,-17.47 348.24,-2.37

Small or netless copper shapes (teardrops, artwork), in the pictures only: 276 on Top, 389 on Bottom

## Text on the board
B.Silkscreen: 5V | GP11 | GND
